# KiCad board rabbit_mask_video_edit.kicad_pcb (continued)
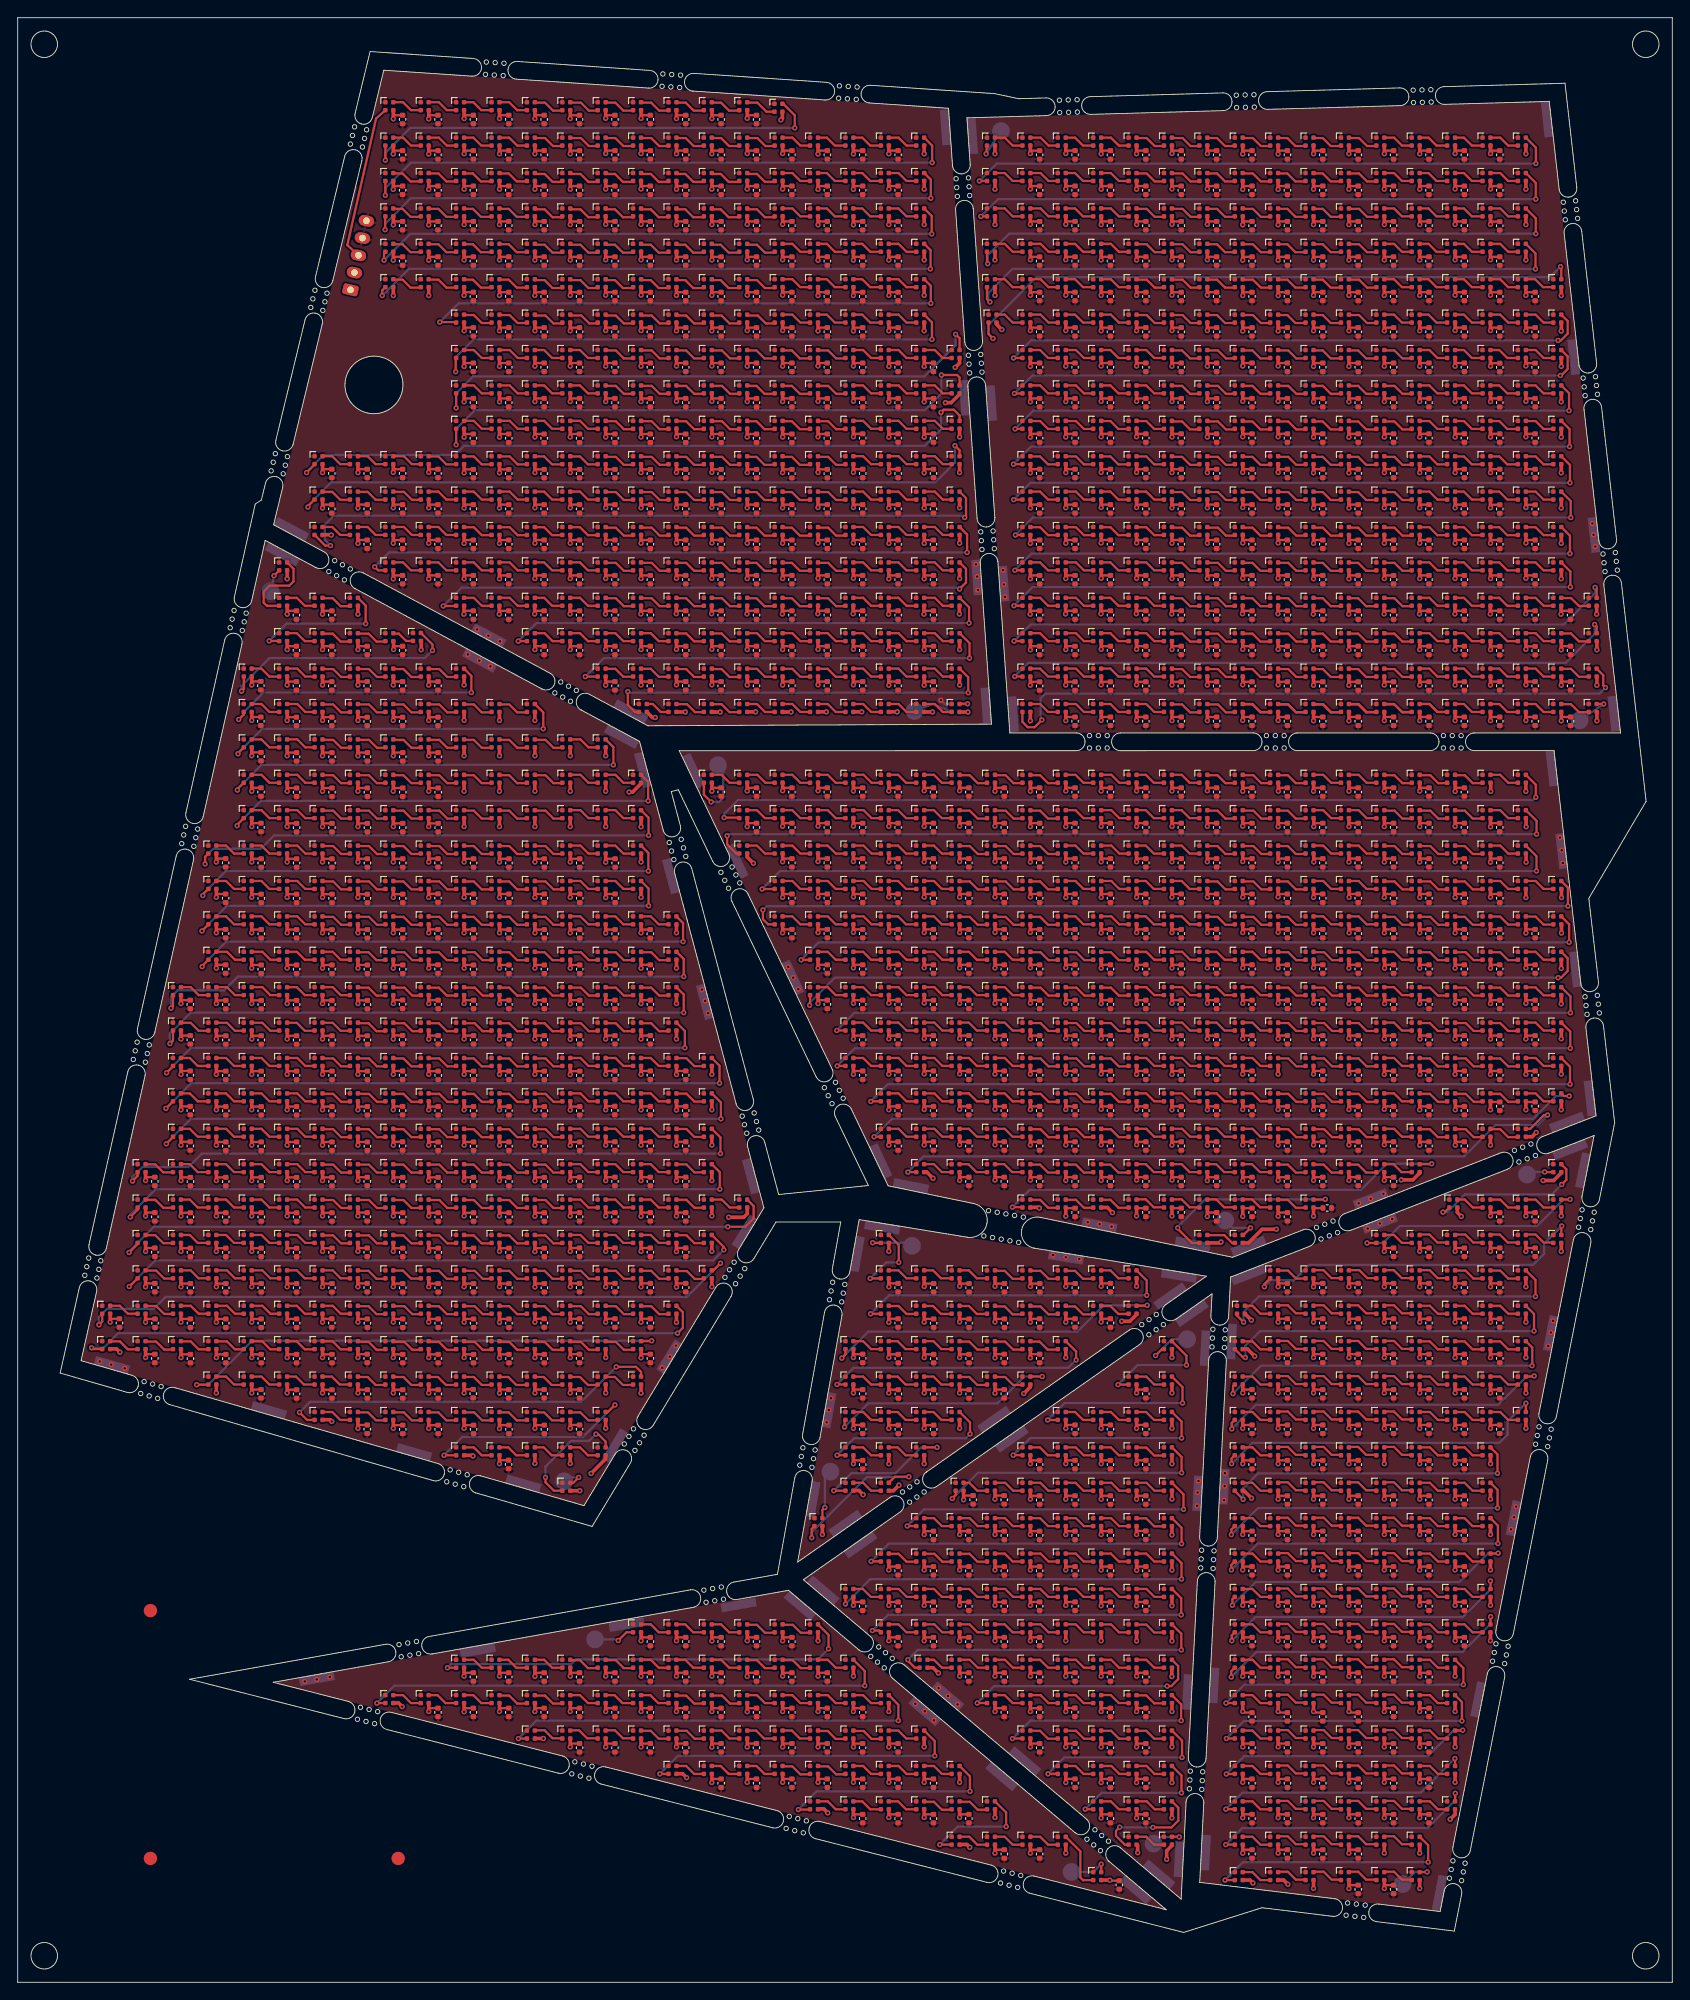
[diagram p0: board, top side]
## Routing (per net, layer and track width the routed paths; a pad name or vN(x,y) marks a point on that pad's centre or on a via; arc(x,y) is an arc through that point) (continued)
82.51,26.98 ; C1485#310.1 58.54,90.96 ; C1485#1095.1 54.52,174.96 ; C1485#351.1 114.52,194.98 ; C1485#723.1 34.52,170.98 ; C1485#514.1 42.52,150.98 ; C1485#391.1 62.54,102.96 ; C1485#644.1 54.54,110.98 ; C1485#784.1 70.52,190.98 ; C1485#348.1 150.52,170.98 ; C1485#51.1 106.52,50.98 ; C1485#1115.1 46.52,123 ; C1485#507.1 34.54,122.96 ; C1485#82.1 158.52,18.98 ; C1485#844.1 150.52,90.98 ; C1485#589.1 154.52,114.98 ; C1485#1224.1 142.52,118.98 ; C1485#1271.1 14.52,78.98 ; C1485#8.1 86.52,130.98 ; C1485#120.1 14.54,74.96 ; C1485#1272.1 106.52,118.98 ; C1485#110.1 94.52,130.98 ; C1485#329.1 170.52,162.98 ; C1485#390.1 38.54,74.96 ; C1485#363.1 70.52,38.98 ; C1485#684.1 110.52,38.98 ; C1485#12.1 130.52,206.98 ; C1485#10.1 30.54,118.96 ; C1485#733.1 102.52,150.98 ; C1485#399.1 26.54,78.96 ; C1485#321.1 162.52,94.98 ; C1485#816.1 102.52,146.98 ; C1485#595.1 102.52,50.98 ; C1485#1139.1 118.52,46.98 ; C1485#487.1 130.52,114.98 ; C1485#1260.1 86.52,162.98 ; C1485#631.1 154.52,102.98 ; C1485#530.1 70.52,158.98 ; C1485#930.1 14.52,86.98 ; C1485#505.1 74.52,162.98 ; C1485#357.1 38.52,78.98 ; C1485#850.1 34.54,82.96 ; C1485#209.1 26.54,114.96 ; C1485#1235.1 130.52,134.98 ; C1485#742.1 66.52,78.98 ; C1485#408.1 146.52,146.96 ; C1485#786.1 166.52,142.98 ; C1485#747.1 150.52,182.98 ; C1485#223.1 54.5,59 ; C1485#442.1 38.54,102.96 ; C1485#838.1 90.52,110.98 ; C1485#1168.1 142.52,90.98 ; C1485#1164.1 62.52,190.98 ; C1485#346.1 146.52,166.98 ; C1485#1085.1 146.52,66.98 ; C1485#998.1 150.52,66.98 ; C1485#384.1 158.52,106.98 ; C1485#254.1 118.52,178.98 ; C1485#4.1 26.5,147 ; C1485#977.1 158.52,194.98 ; C1485#467.1 118.52,206.98 ; C1485#151.1 46.54,82.96 ; C1485#1010.1 158.52,170.98 ; C1485#458.1 98.52,178.98 ; C1485#756.1 138.52,18.98 ; C1485#796.1 142.52,26.98 ; C1485#135.1 94.52,178.98 ; C1485#213.1 38.54,126.96 ; C1485#1061.1 150.52,122.98 ; C1485#636.1 154.52,38.98 ; C1485#427.1 42.54,118.96 ; C1485#611.1 26.54,94.96 ; C1485#1176.1 74.52,202.98 ; C1485#739.1 74.52,78.98 ; C1485#628.1 122.52,154.98 ; C1485#735.1 66.52,146.98 ; C1485#1191.1 162.52,178.98 ; C1485#1266.1 46.54,62.96 ; C1485#221.1 142.52,182.98 ; C1485#464.1 122.52,94.98 ; C1485#87.1 126.52,130.98 ; C1485#414.1 46.54,74.96 ; C1485#435.1 170.52,99.48 ; C1485#1144.1 54.52,206.98 ; C1485#937.1 126.52,178.98 ; C1485#706.1 138.52,134.98 ; C1485#336.1 62.52,170.96 ; C1485#741.1 70.52,78.98 ; C1485#169.1 26.52,66.98 ; C1485#300.1 110.52,30.98 ; C1485#964.1 70.52,98.98 ; C1485#138.1 154.52,174.98 ; C1485#162.1 86.52,134.98 ; C1485#1111.1 94.52,190.98 ; C1485#422.1 150.52,18.98 ; C1485#695.1 150.52,126.98 ; C1485#820.1 162.52,38.98 ; C1485#812.1 66.52,206.98 ; C1485#687.1 138.52,166.98 ; C1485#1249.1 38.52,146.98 ; C1485#1200.1 38.52,142.96 ; C1485#942.1 86.52,38.98 ; C1485#738.1 50.54,102.96 ; C1485#1021.1 122.52,46.98 ; C1485#129.1 126.52,98.98 ; C1485#1165.1 54.52,210.98 ; C1485#944.1 158.52,134.98 ; C1485#68.1 30.54,66.96 ; C1485#235.1 26.52,134.98 ; C1485#140.1 42.54,126.96 ; C1485#681.1 122.52,198.98 ; C1485#88.1 90.52,198.98 ; C1485#1151.1 146.52,158.98 ; C1485#14.1 22.52,126.98 ; C1485#284.1 22.54,90.96 ; C1485#460.1 66.5,99 ; C1485#895.1 158.52,154.98 ; C1485#1253.1 118.52,126.98 ; C1485#945.1 102.54,74.96 ; C1485#734.1 78.52,150.98 ; C1485#975.1 90.52,30.98 ; C1485#736.1 110.52,114.98 ; C1485#114.1 98.52,186.98 ; C1485#74.1 162.52,50.98 ; C1485#789.1 42.52,198.98 ; C1485#862.1 18.52,102.98 ; C1485#1037.1 162.52,186.98 ; C1485#333.1 66.52,110.98 ; C1485#740.1 130.52,106.98 ; C1485#243.1 158.52,202.98 ; C1485#1225.1 98.52,122.98 ; C1485#416.1 78.52,134.98 ; C1485#323.1 154.52,50.98 ; C1485#622.1 114.52,122.98 ; C1485#1018.1 98.52,78.98 ; C1485#581.1 66.52,26.98 ; C1485#1197.1 90.52,114.98 ; C1485#269.1 70.52,94.98 ; C1485#122.1 142.52,98.98 ; C1485#1264.1 114.52,174.98 ; C1485#322.1 66.52,182.98 ; C1485#20.1 82.52,206.98 ; C1485#1152.1 162.52,194.98 ; C1485#21.1 142.52,42.98 ; C1485#251.1 70.52,86.98 ; C1485#880.1 138.52,34.98 ; C1485#982.1 110.52,70.98 ; C1485#675.1 142.52,126.98 ; C1485#263.1 126.52,54.98 ; C1485#350.1 94.52,162.98 ; C1485#312.1 66.52,90.98 ; C1485#7.1 114.52,202.98 ; C1485#344.1 142.52,38.98 ; C1485#340.1 58.54,102.96 ; C1485#650.1 78.52,170.96 ; C1485#953.1 114.52,38.98 ; C1485#764.1 142.52,46.98 ; C1485#469.1 146.52,190.98 ; C1485#349.1 150.52,190.98 ; C1485#714.1 142.52,58.98 ; C1485#871.1 138.52,14.98 ; C1485#178.1 118.52,94.98 ; C1485#237.1 107,55 ; C1485#989.1 106.52,126.98 ; C1485#493.1 102.52,114.98 ; C1485#380.1 170.52,174.98 ; C1485#1034.1 166.52,126.98 ; C1485#566.1 82.52,174.96 ; C1485#293.1 70.52,170.96 ; C1485#689.1 98.52,174.98 ; C1485#839.1 170.52,150.96 ; C1485#1216.1 122.52,170.98 ; C1485#198.1 150.52,98.98 ; C1485#973.1 30.54,74.96 ; C1485#1106.1 154.52,142.98 ; C1485#483.1 42.54,90.96 ; C1485#547.1 70.52,162.98 ; C1485#25.1 82.52,190.98 ; C1485#642.1 162.52,78.98 ; C1485#857.1 82.52,186.98 ; C1485#258.1 146.52,70.98 ; C1485#222.1 138.52,194.98 ; C1485#856.1 98.52,110.98 ; C1485#892.1 34.54,78.96 ; C1485#1223.1 126.52,206.98 ; C1485#524.1 134.52,158.98 ; C1485#859.1 62.52,62.98 ; C1485#1179.1 158.52,74.98 ; C1485#911.1 146.52,198.98 ; C1485#768.1 30.54,102.96 ; C1485#617.1 94.52,198.98 ; C1485#697.1 90.52,182.98 ; C1485#842.1 158.52,110.98 ; C1485#31.1 62.54,110.98 ; C1485#718.1 50.52,174.96 ; C1485#878.1 34.54,70.96 ; C1485#1147.1 102.52,126.98 ; C1485#572.1 30.54,130.96 ; C1485#118.1 162.52,98.98 ; C1485#588.1 126.52,30.98 ; C1485#1110.1 150.52,146.96 ; C1485#63.1 94.52,118.98 ; C1485#848.1 66.52,106.98 ; C1485#22.1 122.52,186.98 ; C1485#392.1 118.52,162.98 ; C1485#485.1 170.52,118.98 ; C1485#971.1 86.52,22.98 ; C1485#997.1 78.52,198.98 ; C1485#535.1 162.52,174.98 ; C1485#719.1 54.54,74.96 ; C1485#59.1 86.52,154.98 ; C1485#1044.1 122.52,22.98 ; C1485#212.1 114.52,126.98 ; C1485#491.1 162.52,106.98 ; C1485#1186.1 118.52,102.98 ; C1485#1019.1 150.52,130.98 ; C1485#1073.1 50.54,106.98 ; C1485#1070.1 26.5,142.98 ; C1485#116.1 34.54,86.96 ; C1485#62.1 90.52,134.98 ; C1485#683.1 122.52,114.98 ; C1485#619.1 114.52,146.96 ; C1485#189.1 126.52,87.48 ; C1485#358.1 126.52,106.98 ; C1485#38.1 114.54,78.96 ; C1485#958.1 114.52,186.98 ; C1485#1267.1 122.52,58.98 ; C1485#898.1 146.52,46.98 ; C1485#1119.1 146.52,74.98 ; C1485#359.1 62.54,98.96 ; C1485#651.1 98.52,38.98 ; C1485#1158.1 138.52,118.98 ; C1485#1081.1 70.52,102.98 ; C1485#1196.1 106.52,18.98 ; C1485#1217.1 42.52,98.98 ; C1485#603.1 158.52,82.98 ; C1485#633.1 170.52,182.96 ; C1485#1148.1 70.52,166.98 ; C1485#591.1 154.52,166.98 ; C1485#50.1 54.54,82.96 ; C1485#851.1 58.54,86.96 ; C1485#1248.1 102.54,70.96 ; C1485#509.1 130.52,186.98 ; C1485#549.1 86.52,26.98 ; C1485#1096.1 154.52,74.98 ; C1485#1001.1 46.52,114.98 ; C1485#423.1 158.52,142.98 ; C1485#431.1 98.52,198.98 ; C1485#1209.1 118.52,198.98 ; C1485#273.1 130.52,162.98 ; C1485#183.1 42.54,122.96 ; C1485#28.1 146.52,206.98 ; C1485#134.1 38.54,94.96 ; C1485#1199.1 62.52,166.98 ; C1485#448.1 138.52,66.98 ; C1485#1222.1 122.52,126.98 ; C1485#1029.1 170.52,146.98 ; C1485#610.1 166.52,146.98 ; C1485#1003.1 126.52,94.98 ; C1485#726.1 126.52,150.98 ; C1485#457.1 150.52,42.98 ; C1485#403.1 126.52,66.98 ; C1485#196.1 150.52,150.98 ; C1485#637.1 166.52,70.98 ; C1485#1102.1 146.52,182.98 ; C1485#1047.1 138.52,26.98 ; C1485#546.1 162.52,118.98 ; C1485#640.1 118.52,150.98 ; C1485#92.1 18.52,106.98 ; C1485#1036.1 38.52,90.98 ; C1485#400.1 114.52,42.98 ; C1485#373.1 70.52,182.98 ; C1485#809.1 82.52,134.98 ; C1485#532.1 98.52,190.98 ; C1485#1068.1 126.52,51 ; C1485#361.1 114.52,90.98 ; C1485#253.1 106.52,34.98 ; C1485#445.1 142.52,166.98 ; C1485#794.1 134.52,190.98 ; C1485#936.1 166.52,162.98 ; C1485#171.1 66.52,162.98 ; C1485#216.1 22.52,122.98 ; C1485#1171.1 62.52,154.98 ; C1485#1251.1 162.52,202.98 ; C1485#1066.1 90.52,202.98 ; C1485#157.1 62.52,194.98 ; C1485#375.1 22.54,106.96 ; C1485#919.1 34.52,146.98 ; C1485#257.1 110.52,66.98 ; C1485#1226.1 138.52,158.98 ; C1485#106.1 46.54,98.96 ; C1485#177.1 102.52,98.98 ; C1485#778.1 102.54,66.96 ; C1485#341.1 158.52,166.98 ; C1485#743.1 150.52,38.98 ; C1485#1120.1 70.52,194.98 ; C1485#470.1 150.52,46.98 ; C1485#1134.1 58.52,206.98 ; C1485#594.1 98.52,166.98 ; C1485#147.1 146.52,106.98 ; C1485#130.1 130.52,118.98 ; C1485#229.1 54.52,162.98 ; C1485#798.1 118.52,110.98 ; C1485#55.1 146.52,126.98 ; C1485#176.1 118.54,78.96 ; C1485#1219.1 102.52,118.98 ; C1485#894.1 46.54,94.96 ; C1485#1123.1 98.52,46.98 ; C1485#948.1 98.52,18.98 ; C1485#141.1 30.52,142.96 ; C1485#783.1 102.52,106.98 ; C1485#1173.1 78.52,26.98 ; C1485#205.1 82.52,178.98 ; C1485#71.1 114.52,98.98 ; C1485#710.1 146.52,114.98 ; C1485#57.1 50.52,190.98 ; C1485#132.1 110.52,106.98 ; C1485#386.1 154.52,162.98 ; C1485#974.1 162.52,182.98 ; C1485#182.1 162.52,114.98 ; C1485#831.1 138.52,126.98 ; C1485#855.1 42.52,162.98 ; C1485#1054.1 58.52,182.98 ; C1485#1026.1 106.52,42.98 ; C1485#1239.1 66.54,114.96 ; C1485#206.1 34.52,166.98 ; C1485#577.1 114.52,94.98 ; C1485#354.1 146.52,90.98 ; C1485#136.1 126.52,170.98 ; C1485#1060.1 122.52,190.98 ; C1485#914.1 162.52,206.98 ; C1485#426.1 78.52,154.98 ; C1485#398.1 150.52,62.98 ; C1485#699.1 70.52,114.98 ; C1485#326.1 142.52,122.98 ; C1485#1045.1 126.52,22.98 ; C1485#523.1 138.52,162.98 ; C1485#421.1 66.52,30.98 ; C1485#331.1 150.52,50.98 ; C1485#181.1 26.54,98.96 ; C1485#1000.1 42.52,94.98 ; C1485#1258.1 34.52,74.98 ; C1485#803.1 70.52,74.98 ; C1485#528.1 170.52,142.98 ; C1485#679.1 90.52,186.98 ; C1485#645.1 110.52,134.98 ; C1485#1263.1 66.52,186.98 ; C1485#352.1 142.52,174.98 ; C1485#456.1 66.52,190.98 ; C1485#264.1 102.54,78.96 ; C1485#696.1 158.52,62.98 ; C1485#544.1 166.52,102.98 ; C1485#91.1 142.52,94.98 ; C1485#540.1 118.52,62.98 ; C1485#290.1 166.52,82.98 ; C1485#372.1 158.52,150.98 ; C1485#42.1 142.52,106.98 ; C1485#1092.1 122.52,102.98 ; C1485#575.1 118.52,114.98 ; C1485#289.1 134.52,194.98 ; C1485#841.1 130.52,102.98 ; C1485#790.1 70.52,210.98 ; C1485#468.1 118.52,34.98 ; C1485#1198.1 106.54,78.96 ; C1485#385.1 74.52,94.98 ; C1485#1079.1 38.52,170.98 ; C1485#846.1 126.52,110.98 ; C1485#897.1 98.52,150.98 ; C1485#233.1 110.52,98.98 ; C1485#186.1 150.52,162.98 ; C1485#295.1 146.52,34.98 ; C1485#313.1 134.52,102.98 ; C1485#172.1 94.52,146.98 ; C1485#889.1 74.52,154.98 ; C1485#194.1 130.52,182.98 ; C1485#561.1 110.52,42.98 ; C1485#474.1 150.52,178.98 ; C1485#41.1 54.54,126.96 ; C1485#517.1 26.54,118.96 ; C1485#465.1 30.54,86.96 ; C1485#327.1 134.52,110.98 ; C1485#1065.1 146.52,58.98 ; C1485#107.1 30.54,94.96 ; C1485#158.1 170.52,102.98 ; C1485#503.1 54.52,182.98 ; C1485#195.1 58.52,190.98 ; C1485#100.1 82.52,34.98 ; C1485#956.1 150.52,34.98 ; C1485#1049.1 58.54,106.98 ; C1485#37.1 126.52,126.98 ; C1485#630.1 94.52,70.98 ; C1485#174.1 70.52,178.98 ; C1485#179.1 86.52,182.98 ; C1485#664.1 66.52,102.98 ; C1485#815.1 138.52,146.96 ; C1485#901.1 170.52,158.98 ; C1485#48.1 142.52,74.98 ; C1485#330.1 78.52,38.98 ; C1485#160.1 110.52,94.98 ; C1485#657.1 94.52,114.98 ; C1485#482.1 98.52,158.98 ; C1485#836.1 94.52,202.98 ; C1485#915.1 66.52,150.98 ; C1485#829.1 18.54,74.96 ; C1485#913.1 46.54,86.96 ; 42.52,211.48 D1.2 ; C1485#1153.1 62.54,114.96 ; C1485#259.1 122.52,26.98 ; C1485#905.1 46.54,102.96 ; C1485#475.1 94.52,30.98 ; C1485#704.1 46.52,30.98 ; C1485#906.1 166.52,150.96 ; C1485#343.1 150.52,114.98 ; C1485#298.1 162.52,166.98 ; C1485.1 166.52,86.98 ; C1485#1077.1 34.54,114.96 ; C1485#1146.1 86.52,34.98 ; C1485#1250.1 94.52,102.98 ; C1485#1138.1 142.52,198.98 ; C1485#1094.1 46.52,198.98 ; C1485#988.1 30.52,154.98 ; C1485#328.1 58.54,114.96 ; C1485#1180.1 126.52,118.98 ; C1485#604.1 170.52,86.98 ; C1485#991.1 82.52,154.98 ; C1485#133.1 114.52,178.98 ; C1485#649.1 74.52,38.98 ; C1485#90.1 38.54,134.96 ; C1485#292.1 78.52,174.96 ; C1485#555.1 66.54,118.96 ; C1485#371.1 126.52,182.98 ; C1485#629.1 154.52,202.98 ; C1485#368.1 158.52,102.98 ; C1485#374.1 138.52,98.98 ; C1485#932.1 134.52,166.98 ; C1485#579.1 154.52,62.98 ; C1485#1259.1 150.52,174.98 ; C1485#946.1 18.54,86.96 ; C1485#378.1 154.52,146.96 ; C1485#1255.1 154.52,170.98 ; C1485#885.1 170.52,190.98 ; C1485#811.1 54.52,170.96 ; C1485#109.1 146.52,150.98 ; C1485#634.1 118.52,54.98 ; C1485#565.1 162.52,62.98 ; C1485#907.1 98.52,98.98 ; C1485#646.1 58.52,162.98 ; C1485#265.1 50.52,202.98 ; C1485#72.1 50.52,158.98 ; C1485#858.1 78.52,22.98 ; C1485#406.1 122.52,206.98 ; C1485#1055.1 142.52,186.98 ; C1485#1202.1 50.54,78.96 ; C1485#1265.1 114.52,106.98 ; C1485#659.1 130.52,122.98 ; C1485#16.1 158.52,130.98 ; C1485#793.1 42.52,102.98 ; C1485#808.1 46.52,126.98 ; C1485#767.1 142.52,194.98 ; C1485#161.1 130.52,110.98 ; C1485#875.1 122.52,134.98 ; C1485#1051.1 126.52,202.98 ; C1485#452.1 158.52,158.98 ; C1485#393.1 70.52,186.98 ; C1485#153.1 126.52,194.98 ; C1485#306.1 134.52,170.98 ; C1485#466.1 166.52,158.98 ; C1485#969.1 122.52,174.98 ; C1485#1125.1 94.52,182.98 ; C1485#1227.1 38.52,166.98 ; C1485#1218.1 58.52,74.98 ; C1485#1278.1 122.52,110.98 ; C1485#434.1 158.52,118.98 ; C1485#772.1 134.52,122.98 ; C1485#573.1 42.52,206.98 ; C1485#1056.1 130.52,158.98 ; C1485#670.1 154.52,82.98 ; C1485#101.1 46.54,130.96 ; C1485#156.1 106.52,114.98 ; C1485#1129.1 70.52,110.98 ; C1485#752.1 138.52,110.98 ; C1485#765.1 146.52,142.98 ; C1485#548.1 86.52,202.98 ; C1485#821.1 166.52,202.98 ; C1485#108.1 54.54,118.96 ; C1485#861.1 122.52,54.98 ; C1485#252.1 98.54,66.96 ; C1485#1183.1 122.52,162.98 ; C1485#721.1 150.52,158.98 ; C1485#1112.1 114.52,134.98 ; C1485#167.1 154.52,98.98 ; C1485#1277.1 42.54,130.96 ; C1485#725.1 110.52,90.98 ; C1485#202.1 118.52,26.98 ; C1485#601.1 158.52,162.98 ; C1485#602.1 102.52,102.98 ; C1485#281.1 18.52,110.98 ; C1485#1163.1 62.52,206.98 ; C1485#551.1 90.52,162.98 ; C1485#647.1 46.52,194.98 ; C1485#1182.1 50.54,122.98 ; C1485#717.1 30.54,138.96 ; C1485#515.1 82.52,150.98 ; C1485#1135.1 154.52,158.98 ; C1485#819.1 70.52,34.98 ; C1485#1155.1 126.52,186.98 ; C1485#935.1 146.52,54.98 ; C1485#698.1 62.52,198.98 ; C1485#921.1 102.52,170.98 ; C1485#439.1 110.54,74.96 ; C1485#170.1 34.52,150.98 ; C1485#1189.1 78.52,166.98 ; C1485#1231.1 86.52,158.98 ; C1485#990.1 118.52,58.98 ; C1485#672.1 34.52,154.98 ; C1485#144.1 122.52,78.98 ; C1485#916.1 46.52,162.98 ; C1485#854.1 134.52,98.98 ; C1485#200.1 38.52,82.98 ; C1485#103.1 114.52,206.98 ; C1485#1203.1 98.52,130.98 ; C1485#557.1 110.52,50.98 ; C1485#1162.1 114.52,114.98 ; C1485#1008.1 150.52,70.98 ; C1485#534.1 18.52,98.98 ; C1485#250.1 110.52,102.98 ; C1485#316.1 42.52,194.98 ; C1485#496.1 110.52,46.98 ; C1485#658.1 122.52,74.98 ; C1485#653.1 102.52,130.98 ; C1485#388.1 130.52,198.98 ; C1485#873.1 34.54,66.96 ; C1485#655.1 62.52,26.98 ; C1485#309.1 94.52,106.98 ; C1485#478.1 42.52,111 ; C1485#66.1 30.54,114.96 ; C1485#459.1 94.52,122.98 ; C1485#278.1 86.52,166.98 ; C1485#744.1 166.52,166.96 ; C1485#397.1 62.52,82.98 ; C1485#800.1 154.52,34.98 ; C1485#722.1 54.54,70.96 ; C1485#379.1 170.52,170.98 ; C1485#887.1 50.54,110.98 ; C1485#511.1 46.52,146.98 ; C1485#583.1 86.52,206.98 ; C1485#325.1 138.52,182.98
  Top w0.4: 74.45,199.6 v1(74.45,198.62) ; 134.45,203.62 v1(134.45,202.65) ; 102.45,59.57 v1(102.45,58.6) ; 18.45,71.57 v1(18.45,70.6) ; D1456.2 v1(122.45,18.57) ; 150.45,47.57 v1(150.45,46.6) ; v1(172.4,90.6) 173.6,90.6 174.45,91.45 174.45,91.57 ; 162.45,51.57 v1(162.45,50.6) ; 114.45,191.62 v1(114.45,190.65) ; 146.45,119.58 v1(146.45,118.6) ; 106.45,115.6 v1(106.45,114.62) ; 114.45,75.57 v1(114.45,74.6) ; 146.45,71.57 v1(146.45,70.6) ; 58.45,111.57 v1(58.45,110.6) ; 106.42,143.54 v1(107.4,143.54) ; 130.45,107.57 v1(130.45,106.6) ; D1051.2 162.7,87 v1(163.15,86.55) ; 86.45,199.62 v1(86.45,198.65) ; 122.45,195.6 v1(122.45,194.62) ; 130.45,135.6 v1(130.45,134.62) ; 26.45,147.57 v1(26.45,146.6) ; 58.45,63.57 v1(58.45,62.6) ; 122.45,107.62 v1(122.45,106.65) ; 134.45,151.57 v1(134.45,150.6) ; 126.43,155.62 v1(126.43,154.65) ; 26.45,103.57 v1(26.45,102.6) ; 130.45,147.57 v1(130.45,146.6) ; 174.45,167.57 v1(174.45,166.6) ; 138.45,159.62 v1(138.45,158.65) ; 98.45,199.6 v1(98.45,198.62) ; 54.45,203.6 v1(54.45,202.62) ; 146.45,67.57 v1(146.45,66.6) ; 110.45,199.6 v1(110.45,198.62) ; 82.45,171.57 v1(82.45,170.6) ; 58.44,27.55 v1(59.42,27.55) ; 122.45,79.62 v1(122.45,78.65) ; 34.45,63.57 35.3,63.57 v1(35.5,63.38) ; 138.45,39.57 v1(138.45,38.6) ; 102.45,203.6 v1(102.45,202.62) ; 166.45,107.57 v1(166.45,106.6) ; 30.45,127.58 v1(30.45,126.6) ; 70.45,91.57 v1(70.45,90.6) ; 106.45,35.57 v1(106.45,34.6) ; D1388.2 v1(82.45,30.57) ; 42.45,79.57 v1(42.45,78.6) ; 66.45,67.57 v1(66.45,66.6) ; 150.45,27.57 v1(150.45,26.6) ; 138.45,171.6 v1(138.45,170.62) ; 126.45,195.6 v1(126.45,194.62) ; 42.45,123.58 v1(42.45,122.6) ; 142.45,19.57 v1(142.45,18.6) ; 62.45,123.58 v1(62.45,122.6) ; 134.45,167.6 v1(134.45,166.62) ; 162.45,35.56 v1(162.45,34.59) ; 162.45,31.57 v1(162.45,30.6) ; 98.45,43.57 v1(98.45,42.6) ; 38.45,115.58 v1(38.45,114.6) ; 162.45,131.6 v1(162.45,130.62) ; 42.45,115.58 v1(42.45,114.6) ; 134.45,115.6 v1(134.45,114.62) ; 134.45,95.57 v1(134.45,94.6) ; 146.45,23.57 v1(146.45,22.6) ; 174.45,191.57 v1(174.45,190.6) ; 110.45,111.6 v1(110.45,110.62) ; 50.45,63.57 v1(50.45,62.6) ; D990.2 171.15,95.55 v1(171.62,96.03) ; 58.45,203.6 v1(58.45,202.62) ; 150.45,195.6 v1(150.45,194.62) ; 102.45,67.57 v1(102.45,66.6) ; 38.45,95.57 v1(38.45,94.6) ; 66.45,159.6 v1(66.45,158.62) ; 90.45,191.57 v1(90.45,190.6) ; 82.45,199.62 v1(82.45,198.65) ; 34.45,87.57 v1(34.45,86.6) ; 70.45,111.57 v1(70.45,110.6) ; 162.45,203.62 v1(162.45,202.65) ; 118.45,75.57 v1(118.45,74.6) ; 46.45,71.57 v1(46.45,70.6) ; 142.45,207.57 v1(142.45,206.6) ; 58.45,115.58 v1(58.45,114.6) ; D676.2 v1(66.45,126.58) ; 38.45,63.57 v1(38.45,62.6) ; D846.2 v1(174.45,110.57) ; D1130.2 v1(74.45,74.57) ; 122.43,155.62 v1(122.43,154.65) ; 30.45,79.57 v1(30.45,78.6) ; 138.45,55.57 138.57,55.57 v1(139.45,54.7) ; 170.45,111.6 v1(170.45,110.62) ; 54.45,59.57 v1(54.45,58.6) ; 126.45,63.57 v1(126.45,62.6) ; 162.45,103.57 v1(162.45,102.6) ; 154.45,207.6 v1(154.45,206.62) ; 102.45,111.62 v1(102.45,110.65) ; 134.45,103.6 v1(134.45,102.62) ; 146.45,35.56 v1(146.45,34.59) ; 82.45,183.6 v1(82.45,182.62) ; 50.45,99.57 v1(50.45,98.6) ; 66.45,35.57 v1(66.45,34.6) ; 82.42,155.6 v1(82.42,154.62) ; 162.45,19.57 162.45,18.97 v1(161.9,18.42) ; 54.45,195.6 v1(54.45,194.62) ; 106.45,123.6 v1(106.45,122.62) ; 66.45,183.6 v1(66.45,182.62) ; 142.45,199.57 v1(142.45,198.6) ; 38.45,171.57 v1(38.45,170.6) ; 142.45,63.57 v1(142.45,62.6) ; D627.2 v1(162.45,134.57) ; D538.2 v1(146.45,146.57) ; 170.45,163.62 v1(170.45,162.65) ; 162.47,95.57 v1(162.47,94.6) ; v1(156.38,90.68) 157.67,90.68 158.45,91.45 158.45,91.62 ; 98.45,203.6 v1(98.45,202.62) ; 122.45,103.62 v1(122.45,102.65) ; 30.45,131.57 v1(30.45,130.6) ; 70.45,75.57 v1(70.45,74.6) ; 150.45,127.58 v1(150.45,126.6) ; v1(136,83.65) 135.9,83.55 D1073.2 ; 90.45,31.57 v1(90.45,30.6) ; 134.45,123.6 v1(134.45,122.62) ; 122.45,207.6 v1(122.45,206.62) ; 158.45,15.57 v1(158.45,14.6) ; 46.45,195.57 v1(46.45,194.6) ; 78.45,151.6 v1(78.45,150.62) ; D571.2 v1(134.45,142.57) ; 102.45,119.6 v1(102.45,118.62) ; 158.45,147.57 v1(158.45,146.6) ; 154.45,199.6 v1(154.45,198.62) ; 70.45,83.57 v1(70.45,82.6) ; 50.45,175.57 v1(50.45,174.6) ; 30.45,99.57 v1(30.45,98.6) ; 166.45,175.6 v1(166.45,174.62) ; 62.45,27.57 v1(62.45,26.6) ; 94.45,63.57 v1(94.45,62.6) ; 74.45,31.57 v1(74.45,30.6) ; 66.45,147.56 v1(66.45,146.59) ; 122.45,91.6 v1(122.45,90.62) ; 34.45,147.57 v1(34.45,146.6) ; 94.45,199.57 v1(94.45,198.6) ; 138.45,63.57 v1(138.45,62.6) ; 66.45,151.57 v1(66.45,150.6) ; 26.45,123.58 v1(26.45,122.6) ; 54.45,163.57 v1(54.45,162.6) ; 94.42,155.62 v1(94.42,154.65) ; 70.45,99.57 v1(70.45,98.6) ; 174.45,83.57 v1(174.45,82.6) ; 54.45,91.57 v1(54.45,90.6) ; 126.45,131.6 v1(126.45,130.62) ; 134.45,107.6 v1(134.45,106.62) ; 126.47,15.55 126.57,15.45 v1(126.57,14.65) ; 114.45,111.62 v1(114.45,110.65) ; 50.45,187.6 v1(50.45,186.62) ; D1441.2 v1(126.45,22.57) ; 138.45,51.57 v1(138.45,50.6) ; 178.47,151.55 v1(178.47,150.57) ; 66.45,83.57 v1(66.45,82.6) ; 126.45,187.6 v1(126.45,186.62) ; 110.45,47.57 v1(110.45,46.6) ; 34.45,167.57 v1(34.45,166.6) ; 90.42,155.62 v1(90.42,154.65) ; 158.45,131.57 v1(158.45,130.6) ; 54.45,211.57 v1(54.45,210.6) ; 138.45,131.62 v1(138.45,130.65) ; v1(107.6,15.25) 107.28,15.57 106.45,15.57 ; 30.45,103.57 v1(30.45,102.6) ; 66.45,91.57 v1(66.45,90.6) ; v1(104.85,178.5) 105.5,178.5 106.45,179.45 106.45,179.6 ; 42.45,159.56 v1(42.45,158.59) ; 114.45,179.57 v1(114.45,178.6) ; 162.45,171.57 v1(162.45,170.6) ; v1(139.6,11.22) 139.28,11.55 D1479.2 ; 118.45,107.62 v1(118.45,106.65) ; 150.45,191.6 v1(150.45,190.62) ; 146.47,131.57 v1(146.47,130.6) ; 106.43,155.6 v1(106.43,154.62) ; 142.45,163.62 v1(142.45,162.65) ; 34.45,131.57 v1(34.45,130.6) ; 74.45,111.57 v1(74.45,110.6) ; 126.45,147.6 v1(126.45,146.62) ; 78.45,163.62 v1(78.45,162.65) ; 110.45,115.6 v1(110.45,114.62) ; 122.45,171.6 v1(122.45,170.62) ; 118.45,111.62 v1(118.45,110.65) ; 46.45,91.57 v1(46.45,90.6) ; 66.45,203.62 v1(66.45,202.65) ; 150.45,103.62 v1(150.45,102.65) ; 102.45,51.57 v1(102.45,50.6) ; 126.45,55.57 v1(126.45,54.6) ; 114.45,183.57 v1(114.45,182.6) ; 106.45,167.6 v1(106.45,166.62) ; 134.45,99.57 v1(134.45,98.6) ; 34.45,103.57 v1(34.45,102.6) ; 126.45,203.6 v1(126.45,202.62) ; 90.42,143.56 v1(91.39,143.56) ; 42.45,75.57 v1(42.45,74.6) ; 142.45,39.57 v1(142.45,38.6) ; 126.45,51.57 v1(126.45,50.6) ; 90.45,131.62 v1(90.45,130.65) ; 74.48,143.55 v1(75.45,143.55) ; 142.45,99.6 v1(142.45,98.62) ; 86.45,167.6 v1(86.45,166.62) ; 158.43,155.6 v1(158.43,154.62) ; 162.45,63.57 v1(162.45,62.6) ; 38.45,91.57 v1(38.45,90.6) ; 38.45,107.57 v1(38.45,106.6) ; 154.45,127.58 v1(154.45,126.6) ; 134.45,111.6 v1(134.45,110.62) ; 22.45,75.57 v1(22.45,74.6) ; 166.45,111.57 v1(166.45,110.6) ; 114.45,143.53 v1(114.45,142.55) ; D1125.2 v1(54.45,74.57) ; 70.45,95.57 v1(70.45,94.6) ; 82.45,23.57 v1(82.45,22.6) ; 70.45,39.57 v1(70.45,38.6) ; 130.45,43.53 v1(130.45,42.56) ; D1163.2 v1(70.45,70.57) ; 94.45,163.62 v1(94.45,162.65) ; 170.45,143.57 v1(170.45,142.6) ; 62.45,67.57 v1(62.45,66.6) ; 162.45,151.57 v1(162.45,150.6) ; 70.45,159.6 v1(70.45,158.62) ; 134.45,127.6 v1(134.45,126.62) ; 122.45,59.57 v1(122.45,58.6) ; 98.46,55.55 98.97,55.55 v1(99.6,56.18) ; 178.45,155.57 v1(178.45,154.6) ; 62.45,187.6 v1(62.45,186.62) ; 122.45,159.62 v1(122.45,158.65) ; 50.45,131.57 v1(50.45,130.6) ; 118.45,159.6 v1(118.45,158.62) ; 26.45,67.57 v1(26.45,66.6) ; 102.45,103.62 v1(102.45,102.65) ; 54.45,183.57 v1(54.45,182.6) ; 146.45,19.57 v1(146.45,18.6) ; D570.2 v1(130.45,142.57) ; 118.45,175.6 v1(118.45,174.62) ; D934.2 v1(74.45,98.57) ; 86.45,171.57 v1(86.45,170.6) ; v1(124.78,74.7) 125.7,74.7 126.45,75.45 126.45,75.6 ; 170.45,99.57 v1(170.45,98.6) ; 118.45,43.57 v1(118.45,42.6) ; 126.45,59.57 v1(126.45,58.6) ; 14.45,75.57 v1(14.45,74.6) ; 154.45,43.57 v1(154.45,42.6) ; 138.45,163.62 v1(138.45,162.65) ; 70.45,191.62 v1(70.45,190.65) ; 126.45,143.57 v1(126.45,142.6) ; 134.45,183.6 v1(134.45,182.62) ; 118.45,27.57 v1(118.45,26.6) ; 54.45,207.6 v1(54.45,206.62) ; 150.45,187.6 v1(150.45,186.62) ; D331.2 v1(150.45,170.57) ; 42.45,103.57 v1(42.45,102.6) ; 102.45,135.62 v1(102.45,134.65) ; 78.45,207.6 v1(78.45,206.62) ; 66.45,63.57 v1(66.45,62.6) ; 166.45,195.62 v1(166.45,194.65) ; 150.45,31.57 v1(150.45,30.6) ; 114.45,207.62 v1(114.45,206.65) ; 110.45,119.62 v1(110.45,118.65) ; 126.45,183.62 v1(126.45,182.65) ; 162.45,123.58 v1(162.45,122.6) ; D1168.2 v1(110.45,70.57) ; 154.45,107.57 v1(154.45,106.6) ; 86.45,207.62 v1(86.45,206.65) ; 162.45,111.57 v1(162.45,110.6) ; 166.45,83.57 v1(166.45,82.6) ; 74.45,191.6 v1(74.45,190.62) ; 86.45,131.6 v1(86.45,130.62) ; 170.45,199.6 v1(170.45,198.62) ; 110.45,19.6 v1(110.45,18.62) ; 174.47,119.55 v1(174.47,118.58) ; 162.45,187.62 v1(162.45,186.65) ; 82.45,179.6 v1(82.45,178.62) ; 162.45,179.6 v1(162.45,178.62) ; 174.45,87.57 v1(174.45,86.6) ; 98.45,71.57 v1(98.45,70.6) ; 98.45,119.62 v1(98.45,118.65) ; 82.45,207.62 v1(82.45,206.65) ; 114.45,135.57 v1(114.45,134.6) ; 146.45,95.6 v1(146.45,94.62) ; 94.45,207.57 v1(94.45,206.6) ; 150.43,155.57 v1(150.43,154.6) ; 90.45,195.57 v1(90.45,194.6) ; 26.45,91.57 v1(26.45,90.6) ; 38.45,67.57 v1(38.45,66.6) ; 46.45,115.58 v1(46.45,114.6) ; 166.45,71.57 v1(166.45,70.6) ; 122.45,191.6 v1(122.45,190.62) ; 166.45,171.57 v1(166.45,170.6) ; 166.45,147.57 v1(166.45,146.6) ; 134.45,119.6 v1(134.45,118.62) ; 122.45,43.53 v1(122.45,42.56) ; 98.45,83.57 v1(98.45,82.6) ; 78.45,79.57 v1(78.45,78.6) ; 90.95,51.57 v1(90.95,50.6) ; 142.45,115.6 v1(142.45,114.62) ; 46.45,63.57 v1(46.45,62.6) ; 118.45,103.62 v1(118.45,102.65) ; 154.45,47.57 v1(154.45,46.6) ; 34.45,99.57 v1(34.45,98.6) ; 138.45,135.57 v1(138.45,134.6) ; 110.45,107.6 v1(110.45,106.62) ; 130.45,91.62 v1(130.45,90.65) ; 98.45,175.57 v1(98.45,174.6) ; 42.45,111.57 v1(42.45,110.6) ; 62.45,127.58 v1(62.45,126.6) ; 170.45,79.57 v1(170.45,78.6) ; 98.45,19.6 v1(98.45,18.62) ; 134.45,207.62 v1(134.45,206.65) ; 46.45,131.57 v1(46.45,130.6) ; 142.45,47.57 v1(142.45,46.6) ; 158.45,119.58 v1(158.45,118.6) ; D748.2 v1(66.45,118.58) ; 58.45,207.6 v1(58.45,206.62) ; 154.45,15.57 v1(154.45,14.6) ; 66.45,199.62 v1(66.45,198.65) ; 66.45,31.57 v1(66.45,30.6) ; 30.45,151.57 v1(30.45,150.6) ; 150.45,15.57 v1(150.45,14.6) ; 46.45,167.6 v1(46.45,166.62) ; 106.45,183.6 106.45,182.98 v1(105.95,182.48) ; 134.45,87.53 v1(134.45,86.55) ; 14.45,79.57 v1(14.45,78.6) ; 66.45,111.57 v1(66.45,110.6) ; 170.47,127.55 v1(170.47,126.58) ; 114.45,115.62 v1(114.45,114.65) ; 42.45,71.57 v1(42.45,70.6) ; 94.45,183.62 v1(94.45,182.65) ; 54.45,123.58 v1(54.45,122.6) ; 78.45,211.57 v1(78.45,210.6) ; 78.45,135.57 v1(78.45,134.6) ; 158.45,95.57 v1(158.45,94.6) ; 50.45,95.57 v1(50.45,94.6) ; 158.45,179.6 v1(158.45,178.62) ; 54.45,159.57 v1(54.45,158.6) ; D12.2 86.42,210.62 v1(86.25,210.45) ; 38.45,71.57 v1(38.45,70.6) ; 38.45,127.58 v1(38.45,126.6) ; D1442.2 v1(130.45,22.57) ; 146.45,199.6 v1(146.45,198.62) ; 162.45,59.57 v1(162.45,58.6) ; 130.45,67.57 v1(130.45,66.6) ; 174.45,103.6 v1(174.45,102.62) ; 38.45,147.57 v1(38.45,146.6) ; 110.45,191.6 v1(110.45,190.62) ; 26.45,75.57 v1(26.45,74.6) ; D492.2 v1(98.45,150.57) ; 158.45,199.6 v1(158.45,198.62) ; 154.45,119.58 v1(154.45,118.6) ; 170.43,155.62 v1(170.43,154.65) ; 90.45,171.6 v1(90.45,170.62) ; D1199.2 114.45,67.28 v1(113.7,66.53) ; 150.45,107.62 v1(150.45,106.65) ; 74.45,203.6 v1(74.45,202.62) ; 150.45,159.57 v1(150.45,158.6) ; 66.45,207.62 v1(66.45,206.65) ; 62.45,83.57 v1(62.45,82.6) ; 18.45,107.57 v1(18.45,106.6) ; 170.45,179.62 v1(170.45,178.65) ; 18.45,99.57 v1(18.45,98.6) ; 74.45,23.57 75.15,23.57 v1(75.6,23.12) ; 90.45,147.6 v1(90.45,146.62) ; 110.45,31.57 v1(110.45,30.6) ; 98.45,103.6 v1(98.45,102.62) ; 38.45,135.57 v1(38.45,134.6) ; 102.41,143.55 v1(103.38,143.55) ; v1(83.15,126.45) 82.45,127.15 82.45,127.58 ; 146.45,187.6 v1(146.45,186.62) ; 146.45,79.57 v1(146.45,78.6) ; 50.45,87.57 v1(50.45,86.6) ; 34.45,127.58 v1(34.45,126.6) ; D1006.2 v1(74.45,90.57) ; 106.45,159.6 v1(106.45,158.62) ; 78.45,35.57 v1(78.45,34.6) ; 138.45,87.53 v1(138.45,86.55) ; 50.45,191.6 v1(50.45,190.62) ; 22.45,103.57 v1(22.45,102.6) ; 46.45,103.57 v1(46.45,102.6) ; 62.45,91.57 v1(62.45,90.6) ; 158.45,19.57 v1(158.45,18.6) ; 118.45,127.58 v1(118.45,126.6) ; 74.45,195.6 v1(74.45,194.62) ; 130.45,203.62 v1(130.45,202.65) ; 130.45,71.57 v1(130.45,70.6) ; 150.45,59.57 v1(150.45,58.6) ; 22.45,99.57 v1(22.45,98.6) ; 46.45,139.57 v1(46.45,138.6) ; 158.45,167.6 v1(158.45,166.62) ; 50.45,67.57 v1(50.45,66.6) ; 166.43,155.6 v1(166.43,154.62) ; 90.45,119.6 v1(90.45,118.62) ; 74.45,107.57 v1(74.45,106.6) ; 74.45,39.57 v1(74.45,38.6) ; 38.45,119.58 v1(38.45,118.6) ; 22.45,119.58 v1(22.45,118.6) ; 162.45,55.57 v1(162.45,54.6) ; 146.45,123.58 v1(146.45,122.6) ; 138.45,103.6 v1(138.45,102.62) ; 106.45,47.57 v1(106.45,46.6) ; 86.45,175.6 v1(86.45,174.62) ; 26.45,95.57 v1(26.45,94.6) ; 118.45,163.6 v1(118.45,162.62) ; 166.45,159.6 v1(166.45,158.62) ; 162.45,67.57 v1(162.45,66.6) ; 94.45,55.57 95.08,55.57 v1(95.55,55.1) ; v1(123.72,86.97) 123.15,87.55 D1044.2 ; 66.45,95.57 v1(66.45,94.6) ; 98.45,79.57 v1(98.45,78.6) ; 90.45,151.6 v1(90.45,150.62) ; 42.47,151.57 v1(42.47,150.6) ; 150.47,119.58 v1(150.47,118.6) ; D1363.2 103.45,35.55 v1(104.05,34.94) ; 30.45,71.57 v1(30.45,70.6) ; 42.45,99.57 v1(42.45,98.6) ; 34.45,79.57 v1(34.45,78.6) ; 42.45,127.58 v1(42.45,126.6) ; 158.45,159.6 v1(158.45,158.62) ; 150.45,51.57 v1(150.45,50.6) ; 142.45,71.57 v1(142.45,70.6) ; 146.45,59.57 v1(146.45,58.6) ; 114.45,87.57 115.38,87.57 v1(115.46,87.49) ; 154.45,203.6 v1(154.45,202.62) ; 178.47,143.53 v1(178.47,142.55) ; 34.45,123.58 v1(34.45,122.6) ; 86.45,163.6 v1(86.45,162.62) ; 150.45,75.57 v1(150.45,74.6) ; D1353.2 v1(58.45,34.57) ; 58.45,75.57 v1(58.45,74.6) ; D504.2 v1(150.45,150.57) ; 126.45,175.62 v1(126.45,174.65) ; 78.45,187.6 v1(78.45,186.62) ; 122.45,27.57 v1(122.45,26.6) ; 42.45,195.57 v1(42.45,194.6) ; D1457.2 v1(126.45,18.57) ; 26.45,111.57 v1(26.45,110.6) ; D605.2 70.45,135.45 69.5,134.5 v1(69.1,134.5) ; 154.45,39.57 v1(154.45,38.6) ; 138.45,179.62 v1(138.45,178.65) ; 58.45,179.6 v1(58.45,178.62) ; 38.45,111.57 v1(38.45,110.6) ; 62.45,179.6 v1(62.45,178.62) ; 158.45,47.57 v1(158.45,46.6) ; 118.45,135.6 v1(118.45,134.62) ; 102.45,91.57 102.72,91.57 v1(103.45,90.85) ; v1(35.44,163.54) 35.4,163.57 34.45,163.57 ; 46.45,123.58 v1(46.45,122.6) ; 166.45,79.57 v1(166.45,78.6) ; 150.45,11.57 v1(150.45,10.6) ; 150.45,91.6 v1(150.45,90.62) ; 122.45,179.62 v1(122.45,178.65) ; 118.45,171.57 v1(118.45,170.6) ; 62.45,63.57 v1(62.45,62.6) ; 158.45,207.6 v1(158.45,206.62) ; 142.45,119.62 v1(142.45,118.65) ; 126.45,171.6 v1(126.45,170.62) ; 26.45,83.57 v1(26.45,82.6) ; D1439.2 v1(118.45,22.57) ; 98.45,187.6 v1(98.45,186.62) ; 142.45,175.62 v1(142.45,174.65) ; 46.45,159.56 v1(46.45,158.59) ; 30.45,107.57 v1(30.45,106.6) ; 162.45,107.57 v1(162.45,106.6) ; 102.45,191.6 v1(102.45,190.62) ; 54.45,167.57 v1(54.45,166.6) ; 34.45,171.57 v1(34.45,170.6) ; 138.45,191.57 v1(138.45,190.6) ; 50.45,127.58 v1(50.45,126.6) ; 102.45,167.57 v1(102.45,166.6) ; 18.45,103.57 v1(18.45,102.6) ; 94.45,19.6 v1(94.45,18.62) ; 154.45,55.57 v1(154.45,54.6) ; 146.45,39.57 v1(146.45,38.6) ; 82.45,27.57 v1(82.45,26.6) ; 166.45,167.6 v1(166.45,166.62) ; 30.45,143.57 v1(30.45,142.6) ; 110.45,95.62 v1(110.45,94.65) ; 166.45,163.6 v1(166.45,162.62) ; 146.45,167.57 v1(146.45,166.6) ; 42.45,95.57 v1(42.45,94.6) ; 50.45,163.57 v1(50.45,162.6) ; 142.45,203.57 v1(142.45,202.6) ; 34.45,155.57 v1(34.45,154.6) ; 34.45,75.57 v1(34.45,74.6) ; 46.45,127.58 v1(46.45,126.6) ; 106.45,131.62 v1(106.45,130.65) ; 130.45,167.6 v1(130.45,166.62) ; 158.45,23.57 v1(158.45,22.6) ; 62.45,207.6 v1(62.45,206.62) ; 38.45,99.57 v1(38.45,98.6) ; 46.45,99.57 v1(46.45,98.6) ; 94.45,147.6 v1(94.45,146.62) ; 138.45,123.6 v1(138.45,122.62) ; 102.45,79.6 v1(102.45,78.62) ; 122.45,151.6 v1(122.45,150.62) ; D1480.2 143.07,11.55 v1(143.55,11.07) ; 102.45,195.6 v1(102.45,194.62) ; 142.45,31.57 v1(142.45,30.6) ; 126.45,35.57 v1(126.45,34.6) ; 62.45,31.57 v1(62.45,30.6) ; 150.45,111.57 v1(150.45,110.6) ; 178.47,147.55 v1(178.47,146.57) ; 102.45,39.57 v1(102.45,38.6) ; 38.45,131.57 v1(38.45,130.6) ; D577.2 v1(158.45,142.57) ; 134.45,91.57 v1(134.45,90.6) ; D821.2 v1(62.45,110.57) ; 46.45,87.57 v1(46.45,86.6) ; D578.2 v1(162.45,142.57) ; 158.45,111.57 v1(158.45,110.6) ; 38.45,75.57 v1(38.45,74.6) ; 46.45,207.57 v1(46.45,206.6) ; 98.45,31.57 v1(98.45,30.6) ; 130.45,171.57 v1(130.45,170.6) ; 106.45,107.62 v1(106.45,106.65) ; 66.45,139.57 v1(66.45,138.6) ; v1(80.35,86.45) 82.05,86.45 82.45,86.85 82.45,87.6 ; 138.45,115.6 v1(138.45,114.62) ; 78.45,91.57 v1(78.45,90.6) ; D1241.2 66.45,59.15 v1(64.8,57.5) ; 106.45,99.62 v1(106.45,98.65) ; 38.45,139.57 v1(38.45,138.6) ; 94.45,27.57 v1(94.45,26.6) ; 46.45,171.6 v1(46.45,170.62) ; 34.45,95.57 v1(34.45,94.6) ; 118.45,195.62 v1(118.45,194.65) ; D1189.2 v1(54.45,66.57) ; 114.45,203.62 v1(114.45,202.65) ; 158.45,67.57 v1(158.45,66.6) ; 138.45,143.57 v1(138.45,142.6) ; 58.45,71.57 v1(58.45,70.6) ; 50.45,71.57 v1(50.45,70.6) ; 18.45,91.57 v1(18.45,90.6) ; 122.45,199.6 v1(122.45,198.62) ; 70.45,27.57 v1(70.45,26.6) ; 146.45,103.6 v1(146.45,102.62) ; 66.45,171.57 v1(66.45,170.6) ; 66.45,179.6 v1(66.45,178.62) ; 122.45,123.58 v1(122.45,122.6) ; D663.2 v1(166.45,130.57) ; 130.45,15.6 130.45,15.45 129.85,14.85 v1(129.85,13.9) ; 154.45,19.57 v1(154.45,18.6) ; 138.45,199.57 v1(138.45,198.6) ; 146.45,91.6 v1(146.45,90.62) ; 134.45,163.6 v1(134.45,162.62) ; 138.45,147.6 v1(138.45,146.62) ; 46.45,79.57 v1(46.45,78.6) ; 50.45,199.6 v1(50.45,198.62) ; 110.45,75.6 v1(110.45,74.62) ; 154.45,79.57 v1(154.45,78.6) ; 130.45,195.62 v1(130.45,194.65) ; 134.45,195.62 v1(134.45,194.65) ; 154.45,179.6 v1(154.45,178.62) ; 46.45,199.57 v1(46.45,198.6) ; 98.45,195.6 v1(98.45,194.62) ; 130.45,99.57 v1(130.45,98.6) ; 70.45,187.62 v1(70.45,186.65) ; D699.2 v1(166.45,126.58) ; 114.45,99.6 v1(114.45,98.62) ; 130.45,115.6 v1(130.45,114.62) ; 130.45,151.57 v1(130.45,150.6) ; 26.45,135.57 v1(26.45,134.6) ; 98.45,159.57 v1(98.45,158.6) ; 166.45,183.6 v1(166.45,182.62) ; 102.45,115.62 v1(102.45,114.65) ; 86.45,203.62 v1(86.45,202.65) ; 66.45,79.57 v1(66.45,78.6) ; 50.45,195.6 v1(50.45,194.62) ; 162.45,191.62 v1(162.45,190.65) ; 146.45,195.6 v1(146.45,194.62) ; 154.45,59.57 v1(154.45,58.6) ; 102.45,99.6 v1(102.45,98.62) ; 118.45,95.6 v1(118.45,94.62) ; 22.45,83.57 v1(22.45,82.6) ; 134.45,175.6 v1(134.45,174.62) ; 118.45,147.57 v1(118.45,146.6) ; 74.45,159.62 v1(74.45,158.65) ; 102.43,155.57 v1(102.43,154.6) ; 94.45,127.62 v1(94.45,126.65) ; 42.45,63.57 v1(42.45,62.6) ; 122.45,55.57 v1(122.45,54.6) ; 70.45,123.58 v1(70.45,122.6) ; 162.45,75.57 v1(162.45,74.6) ; 170.45,191.6 v1(170.45,190.62) ; 146.45,55.57 v1(146.45,54.6) ; 158.45,71.57 v1(158.45,70.6) ; 26.45,139.57 v1(26.45,138.6) ; D1074.2 139.1,83.55 140.65,85.1 v1(142.25,85.1) ; 130.45,191.62 v1(130.45,190.65) ; 74.45,151.6 v1(74.45,150.62) ; 98.45,59.57 v1(98.45,58.6) ; 134.45,199.62 v1(134.45,198.65) ; 166.45,75.57 v1(166.45,74.6) ; 154.45,151.57 v1(154.45,150.6) ; 170.45,207.6 v1(170.45,206.62) ; 78.45,147.6 v1(78.45,146.62) ; 138.45,19.57 v1(138.45,18.6) ; 18.45,95.57 v1(18.45,94.6) ; D1301.2 v1(130.45,46.57) ; 110.45,123.62 v1(110.45,122.65) ; 86.45,31.57 v1(86.45,30.6) ; 142.45,167.62 v1(142.45,166.65) ; 158.45,99.57 v1(158.45,98.6) ; 70.45,107.57 v1(70.45,106.6) ; 98.45,131.6 v1(98.45,130.62) ; D320.2 v1(102.45,170.57) ; 114.45,107.6 v1(114.45,106.62) ; 130.43,155.6 v1(130.43,154.62) ; 118.45,167.6 v1(118.45,166.62) ; 126.45,107.57 v1(126.45,106.6) ; 122.45,127.6 v1(122.45,126.62) ; D931.2 v1(62.45,98.57) ; v1(106.9,54.53) D1261.2 ; 174.45,183.57 v1(174.45,182.6) ; 166.45,95.57 v1(166.45,94.6) ; 94.41,143.56 v1(95.39,143.56) ; 26.45,87.57 v1(26.45,86.6) ; 142.45,75.57 v1(142.45,74.6) ; 126.45,27.57 v1(126.45,26.6) ; 98.45,167.57 v1(98.45,166.6) ; 122.45,47.57 v1(122.45,46.6) ; 114.45,51.57 v1(114.45,50.6) ; 154.45,191.6 v1(154.45,190.62) ; 78.45,167.62 v1(78.45,166.65) ; 102.45,75.57 v1(102.45,74.6) ; 114.45,175.57 v1(114.45,174.6) ; 170.45,63.57 v1(170.45,62.6) ; 86.43,143.55 v1(87.41,143.55) ; 114.45,163.57 